# Altium PCB ADCS.PcbDoc (part 1 of 2)
Units mm, origin at the board's own origin, x right, y up, seen from the top; angles counter-clockwise.
Board outline 80 x 80 mm, 2 copper layers (Top Layer, Bottom Layer); 100 components, 89 nets, 454 pads, 285 vias.
Unrouted connection lines stored in the file: 6.
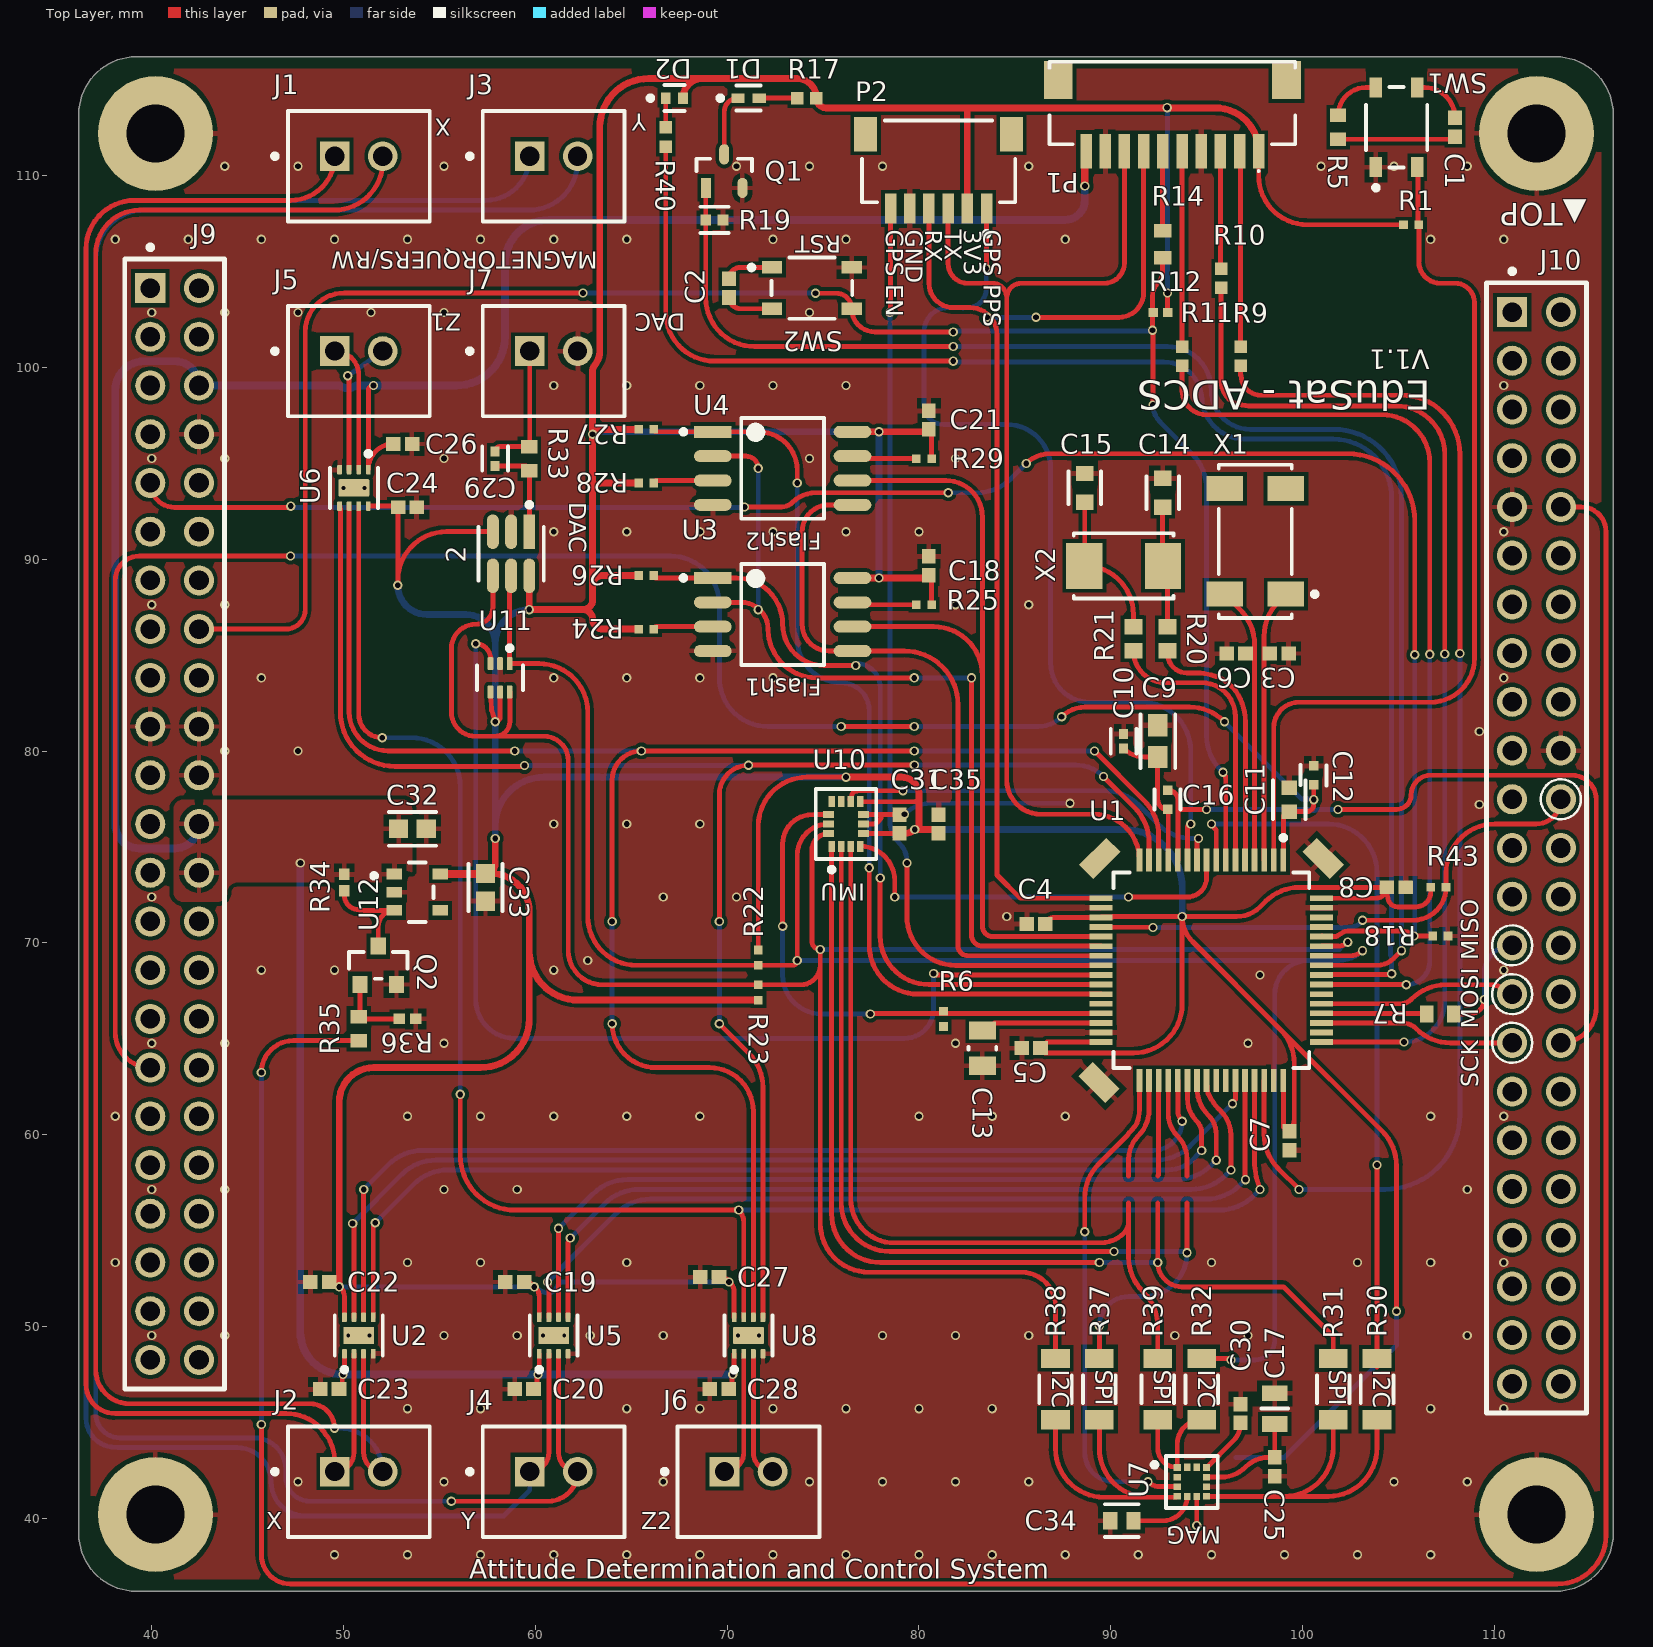
[diagram p0: Top Layer view]
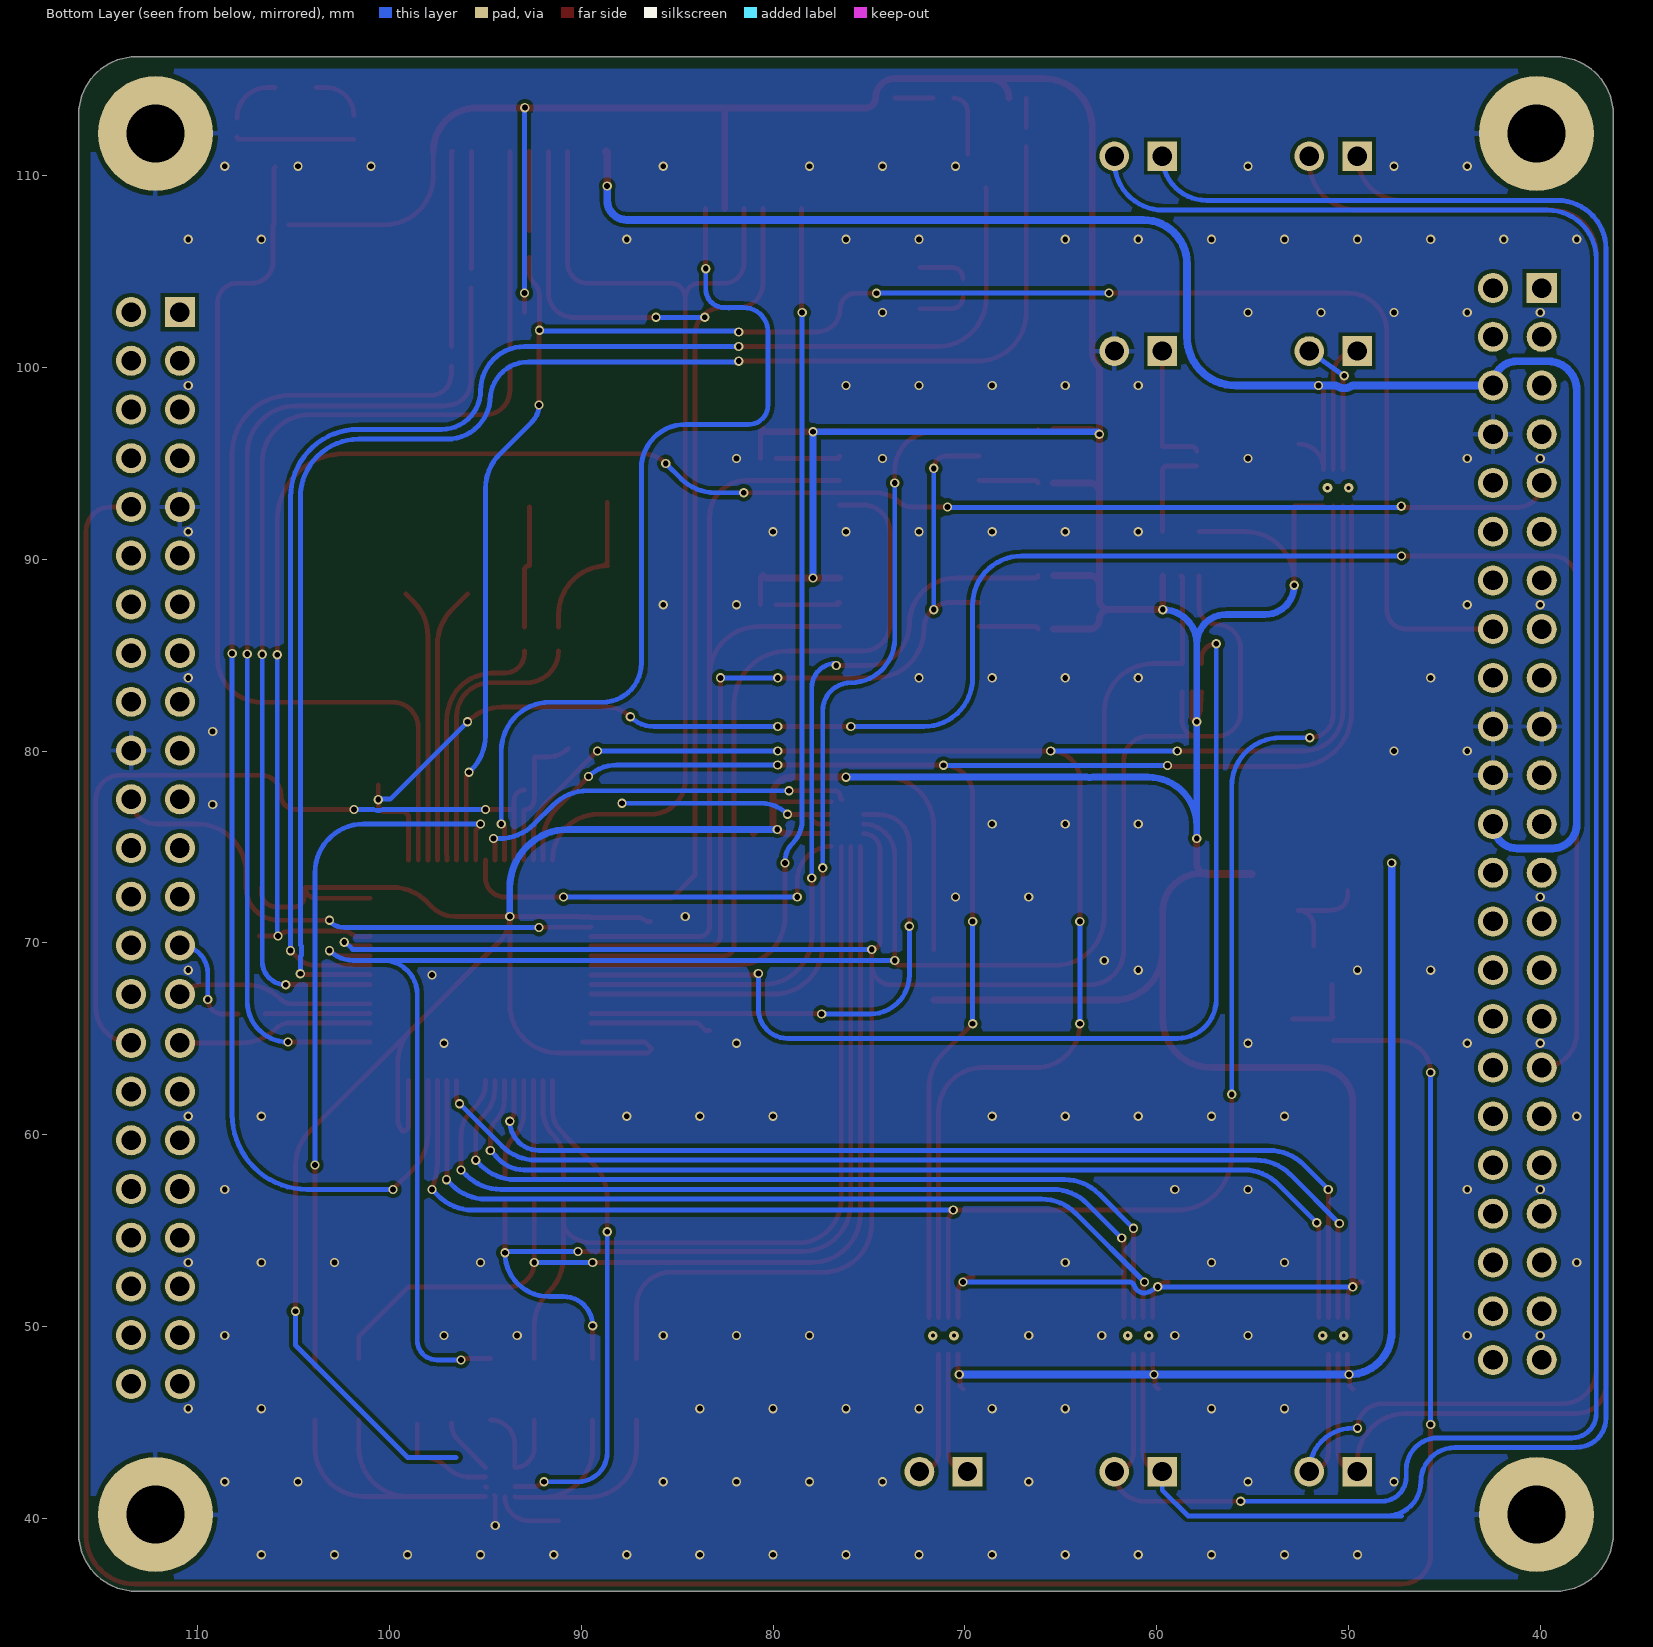
[diagram p1: Bottom Layer view, seen from below]
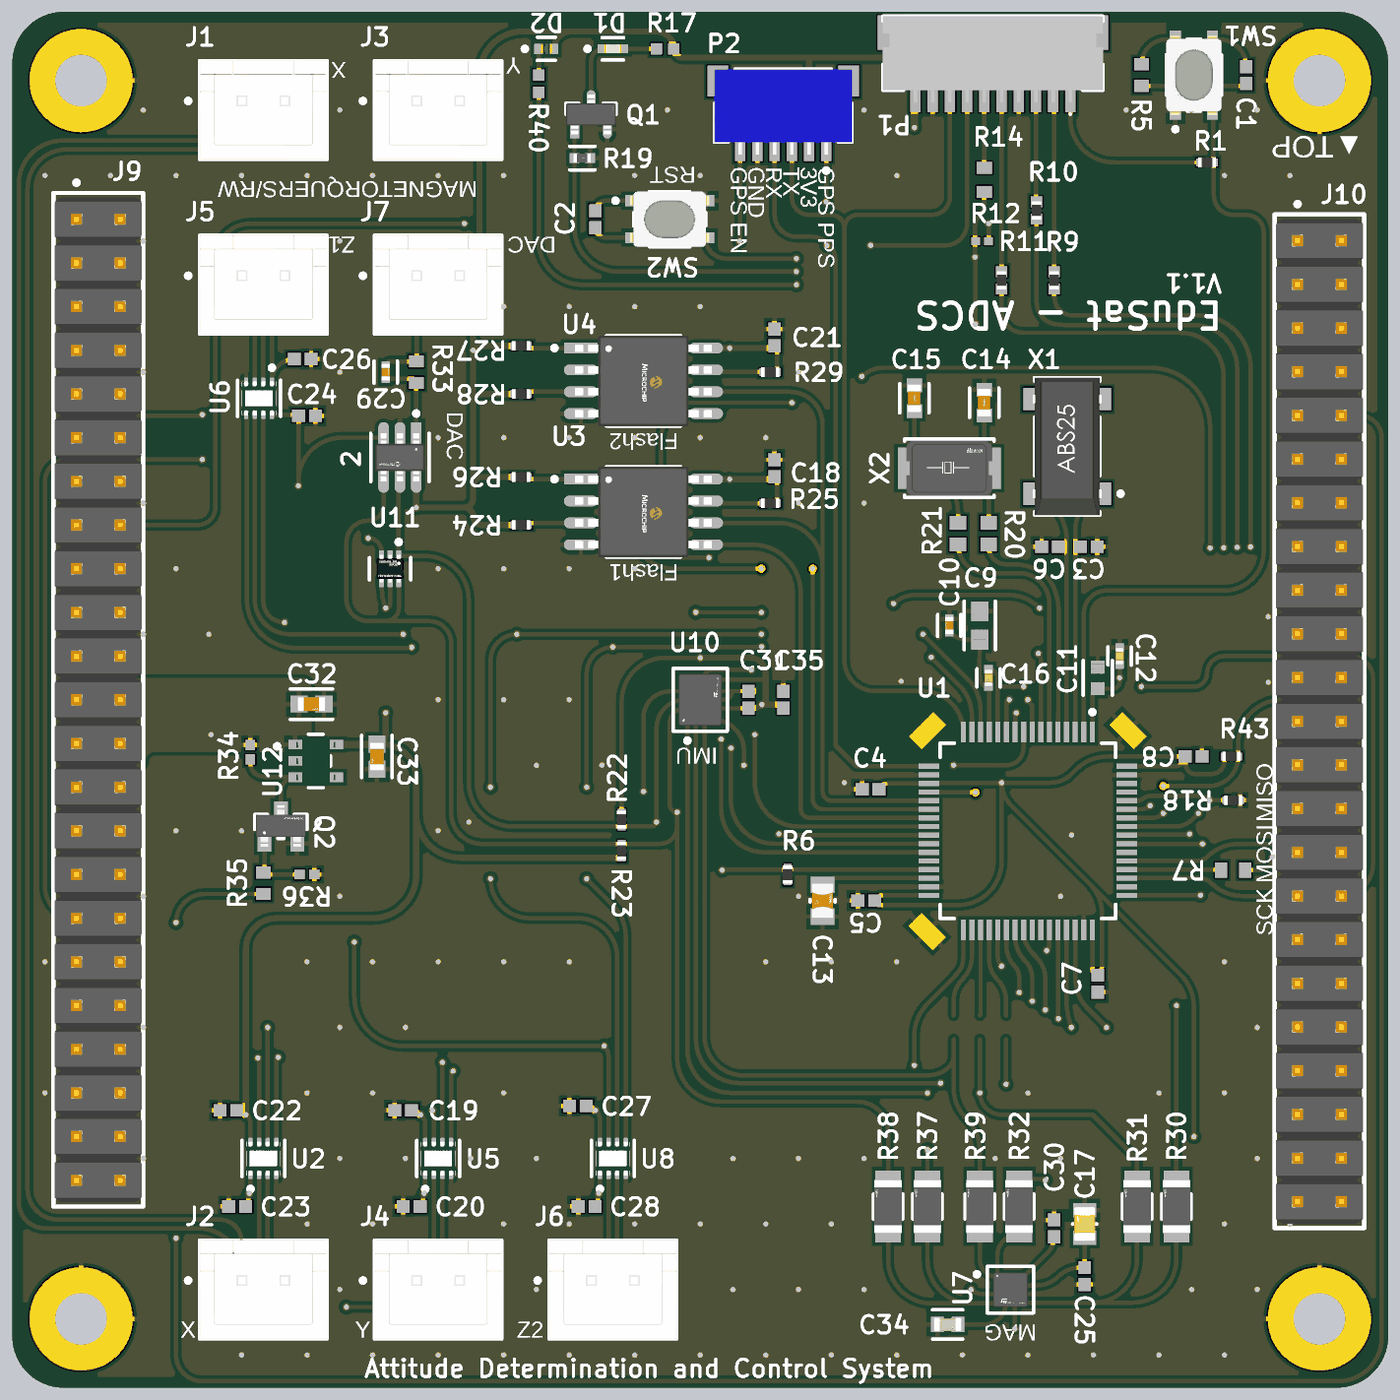
[diagram p3: 3D render of the assembled board from above, using the file's embedded part models]

## Layer stack, top to bottom
Top Solder: solder mask 0.0102, Solder Resist, Dk 3.5
Top Layer: signal copper 0.0356
Dielectric 1: dielectric 0.32, FR-4, Dk 4.8
Bottom Layer: signal copper 0.0356
Bottom Solder: solder mask 0.0102, Solder Resist, Dk 3.5

## Board outline
36.2,39.2 36.2,113.2 cw(c39.2,113.2) 39.2,116.2 113.2,116.2 cw(c113.2,113.2) 116.2,113.2 116.2,39.2 cw(c113.2,39.2) 113.2,36.2 39.2,36.2 cw(c39.2,39.2)

## Design rules (kind name [scope] priority, off if disabled: settings)
Clearance [All] p1: gap=0.203 ignorepadtopadclearanceinfootprint=TRUE except(0.152: Arc-SMDPad Track-SMDPad SMDPad-SMDPad)
HoleSize [All] p1: absolutevalues=TRUE maxlimit=7.62 minlimit=0.025 maxpercent=80.000 minpercent=20.000
MinimumSolderMaskSliver [All] p1: minsoldermaskwidth=0
PlaneClearance [All] p1: clearance=0.254
PlaneConnect [All] p1: pad.planeconnectstyle=Relief pad.reliefexpansion=0.508 pad.reliefentries=4 pad.reliefconductorwidth=0.254 pad.reliefairgap=0.254 via.planeconnectstyle=Direct via.reliefexpansion=0.508 via.reliefentries=4 via.reliefconductorwidth=0.254 via.reliefairgap=0.254
PolygonConnect [All] p1: thpad.connectstyle=Relief thpad.reliefconductorwidth=0.254 thpad.reliefentries=4 thpad.polygonreliefangle="90 Angle" thpad.airgapwidth=0.254 smdpad.connectstyle=Relief smdpad.reliefconductorwidth=0.254 smdpad.reliefentries=4 smdpad.polygonreliefangle="90 Angle" smdpad.airgapwidth=0.254 via.connectstyle=Direct via.reliefconductorwidth=0.254 via.reliefentries=4 via.polygonreliefangle="90 Angle" via.airgapwidth=0.254
RoutingVias [All] p1: holewidth=0.305 width=0.483 viastyle="Through Hole" minholewidth=0.305 minwidth=0.483 maxholewidth=2.54 maxwidth=7.62
SilkToSilkClearance [All] p1: silktosilkclearance=0
SilkToSolderMaskClearance [IsPad] p1: minsilkscreentomaskgap=0.127 clearancetoexposedcopper=TRUE
SolderMaskExpansion [All] p1: expansion=0.102 istentingtop=FALSE
SupplyNets "Schematic Supply Nets_5" [InNet('GND')] p1: voltage=0.000
SupplyNets "Schematic Supply Nets_4" [InNet('AVDD')] p2: voltage=0.000
SupplyNets "Schematic Supply Nets_3" [InNet('+5')] p3: voltage=0.000
SupplyNets "Schematic Supply Nets_2" [InNet('VBAT')] p4: voltage=0.000
SupplyNets "Schematic Supply Nets_1" [InNet('AGND')] p5: voltage=0.000
SupplyNets "Schematic Supply Nets" [InNet('VDD')] p6: voltage=0.000
Width [All] p1: maxlimit=0.406 minlimit=0.254 preferedwidth=0.254
24 further rules are at their usual default settings.

## Classes and differential pairs
component class AOCS_MCU_446: C1 C2 C3 C4 C5 C6 C7 C8 C9 C10 C11 C12 C13 C14 C15 C16 D1 D2 P1 P2 Q1 R1 R5 R7 R9 R10 R11 R12 R14 R17 R18 R19 R20 R21 R40 SW1 SW2 U1 X1 X2
component class ADCS_Connectors: C32 C33 J9 J10 Q2 R34 R35 R36 R43 U12
component class AOCS_Add-on: 2 C17 C18 C19 C20 C21 C22 C23 C24 C25 C26 C27 C28 C29 C30 C31 C34 C35 J1 J2 J3 J4 J5 J6 J7 R6 R22 R23 R24 R25 R26 R27 R28 R29 R30 R31 R32 R33 R37 R38 R39 U2 U3 U4 U5 U6 U7 U8 U10 U11

## Components (designator, comment, footprint, x,y, rotation, side; value= is the part's Value field where it differs from the comment)
2 "MCP4725A0T-E/CH" FP-C04-028-CHY-IPC_A 58.74,90.29 r270 top locked (schematic designator U9)
C1 "100nF" CAPC1050X55X23ML05T13 107.95,112.522 r270 top locked
C2 "100nF" CAPC1050X55X23ML05T13 70.104,104.14 r270 top locked
C3 "6pF" CAPC1005X55X25ML05T10 98.788,85.09 r0 top locked
C4 "100 nF" CAPC1050X55X23ML05T13 86.106,70.993 r0 top
C5 "100 nF" CAPC1050X55X23ML05T13 85.852,64.516 r0 top locked
C6 "6pF" CAPC1005X55X25ML05T10 96.538,85.09 r180 top locked
C7 "100 nF" CAPC1050X55X23ML05T13 99.314,59.69 r90 top locked
C8 "100 nF" CAPC1050X55X23ML05T13 104.884,72.898 r180 top locked
C9 "1uF" FP-CL10-IPC_A 92.456,80.518 r270 top locked
C10 "10nF" FP-CL165-IPC_C 90.678,80.518 r270 top locked
C11 "1uF" FP-CL10-IPC_C 99.314,77.47 r90 top locked
C12 "100nF" FP-CC0402-MFG 100.584,78.74 r270 top locked value="100 nF"
C13 "4.7uF" FP-CC0805-0_85-MFG 83.312,64.516 r90 top locked value="4.7 uF"
C14 "20pF" FP-CC0603-0_9-MFG 92.71,93.472 r90 top locked
C15 "20pF" FP-CC0603-0_9-MFG 88.646,93.726 r90 top locked
C16 "100nF" FP-CC0402-MFG 92.964,77.47 r270 top locked value="100 nF"
C17 "10uF" FP-CL21B106KOQNNNG-MFG 98.552,45.72 r90 top
C18 "100 nF" CAPC1050X55X23ML05T13 80.518,89.662 r270 top locked
C19 "100 nF" CAPC1050X55X23ML05T13 58.928,52.324 r180 top locked
C20 "100 nF" CAPC1050X55X23ML05T13 59.418,46.736 r180 top locked
C21 "100 nF" CAPC1050X55X23ML05T13 80.518,97.264 r270 top locked
C22 "100 nF" CAPC1050X55X23ML05T13 48.768,52.324 r180 top locked
C23 "100 nF" CAPC1050X55X23ML05T13 49.276,46.736 r180 top locked
C24 "100 nF" CAPC1050X55X23ML05T13 53.34,92.71 r0 top locked
C25 "100 nF" CAPC1050X55X23ML05T13 98.552,42.69 r90 top
C26 "100 nF" CAPC1050X55X23ML05T13 53.086,96.012 r0 top locked
C27 "100 nF" CAPC1050X55X23ML05T13 69.088,52.578 r180 top locked
C28 "100 nF" CAPC1050X55X23ML05T13 69.596,46.736 r180 top locked
C29 "10nF" FP-CL165-IPC_C 57.912,95.25 r90 top locked
C30 "100 nF" CAPC1050X55X23ML05T13 96.774,45.466 r270 top
C31 "100 nF" CAPC1050X55X23ML05T13 78.994,76.2 r90 top locked
C32 "1uF" FP-0603-L_1_6_0_15-W_0_81-IPC_B 53.594,75.946 r0 top locked
C33 "1uF" FP-0603-L_1_6_0_15-W_0_81-IPC_B 57.404,72.898 r270 top locked
C34 "220 uF" FP-C0603C-CF-MFG 90.586,39.878 r180 top value="0.22 μF"
C35 "100 nF" CAPC1050X55X23ML05T13 81.026,76.2 r90 top
D1 "SML-LX0402SUGC-TR" FP-SML-LX0402SUGC-TR-MFG 71.12,114.046 r0 top locked
D2 "SMLP12BC7TT86" FP-SML-P12-MFG 67.252,114.046 r0 top locked
J1 "B2B-XH-A(LF)(SN)" FP-B2B-XH-A_LF_SN-MFG 50.8,110.49 r0 top locked
J2 "B2B-XH-A(LF)(SN)" FP-B2B-XH-A_LF_SN-MFG 50.8,41.91 r0 top locked
J3 "B2B-XH-A(LF)(SN)" FP-B2B-XH-A_LF_SN-MFG 60.96,110.49 r0 top locked
J4 "B2B-XH-A(LF)(SN)" FP-B2B-XH-A_LF_SN-MFG 60.96,41.91 r0 top locked
J5 "B2B-XH-A(LF)(SN)" FP-B2B-XH-A_LF_SN-MFG 50.8,100.33 r0 top locked
J6 "B2B-XH-A(LF)(SN)" FP-B2B-XH-A_LF_SN-MFG 71.12,41.91 r0 top locked
J7 "B2B-XH-A(LF)(SN)" FP-B2B-XH-A_LF_SN-MFG 60.96,100.33 r0 top locked
J9 "PBC23DAFN" FP-PBC23DAFN-MFG 41.2,76.2 r270 top
J10 "PBC23DAFN" FP-PBC23DAFN-MFG 112.2,74.95 r270 top
P1 "SM10B-SHLS-TF(LF)(SN)" JST-SM10B-SHLS-TF_V 93.218,113.792 r180 top locked
P2 "SM06B-SRSS-TB(LF)(SN)" JST-SM06B-SRSS-TB_V 81.026,110.744 r180 top locked
Q1 "BSN20BKR" FP-SOT23-IPC_C 69.85,110.236 r90 top locked
Q2 "2N7002K" FP-318-08-MFG 51.816,68.834 r90 top locked
R1 "4.7k" RESC1005X40X25LL05T05 105.664,107.442 r180 top locked
R5 "100" RESC1608X55X30LL15T15 101.854,112.522 r270 top locked
R6 "10k" RESC1005X40X25LL05T05 81.28,66.04 r270 top
R7 "22" RESC1608X55X25NL10T15 107.188,66.294 r180 top locked
R9 "22" RESC1005X40X25ML05T05 96.774,100.584 r270 top locked
R10 "22" RESC1005X40X25ML05T05 95.758,104.648 r270 top locked
R11 "22" RESC1005X40X25ML05T05 93.726,100.584 r270 top locked
R12 "10k" RESC1005X40X25LL05T10 92.589,102.87 r180 top locked
R14 "22" RESC1608X55X25NL10T15 92.71,106.426 r270 top locked
R17 "680R" RESC1005X40X25ML05T05 74.16,114.046 r180 top locked
R18 "10k" RESC1005X40X25LL05T05 107.188,70.358 r180 top locked
R19 "1M" FP-MCR01-IPC_B 69.342,107.696 r180 top locked
R20 "30" RESC1609X50X30NL10T20 92.964,85.852 r90 top locked
R21 "30" RESC1609X50X30NL10T20 91.186,85.852 r90 top locked
R22 "4.7k" RESC1005X40X25LL05T05 71.628,69.234 r90 top locked
R23 "4.7k" RESC1005X40X25LL05T05 71.628,67.418 r270 top locked
R24 "10k" RESC1005X40X25LL05T05 65.786,86.36 r0 top locked
R25 "10k" RESC1005X40X25LL05T05 80.264,87.63 r180 top locked
R26 "10k" RESC1005X40X25LL05T05 65.786,89.154 r0 top locked
R27 "10k" RESC1005X40X25LL05T05 65.786,96.774 r0 top locked
R28 "10k" RESC1005X40X25LL05T05 65.786,93.98 r0 top locked
R29 "10k" RESC1005X40X25LL05T05 80.264,95.25 r180 top locked
R30 "Jumper 0ohm" FP-RC1206-MFG 103.886,46.736 r90 top value=0Ω
R31 "Jumper 0ohm" FP-RC1206-MFG 101.6,46.736 r90 top value=0Ω
R32 "Jumper 0ohm" FP-RC1206-MFG 94.742,46.736 r90 top locked value=0Ω
R33 "100" RESC1608X55X30LL15T15 59.69,95.25 r90 top locked
R34 "100k" RESC1005X40X25NL05T10 50.038,73.152 r90 top locked
R35 "100" RESC1608X55X30LL15T15 50.8,65.532 r270 top locked
R36 "100k" RESC1005X40X25NL05T10 53.34,66.04 r180 top locked
R37 "Jumper 0ohm" FP-RC1206-MFG 89.408,46.736 r90 top locked value=0Ω
R38 "Jumper 0ohm" FP-RC1206-MFG 87.122,46.736 r90 top locked value=0Ω
R39 "Jumper 0ohm" FP-RC1206-MFG 92.456,46.736 r90 top locked value=0Ω
R40 "680R" RESC1005X40X25ML05T05 66.802,112.014 r270 top locked
R43 "10k" RESC1005X40X25LL05T05 107.083,72.898 r180 top
SW1 "PTS810SJM250SMTRLFS" FP-PTS810SJM250SMTRLFS-MFG 104.902,112.522 r90 top locked
SW2 "PTS810SJM250SMTRLFS" FP-PTS810SJM250SMTRLFS-MFG 74.422,104.14 r0 top locked
U1 "STM32F446RET6" FP-LQFP64-5W-MFG 95.25,68.58 r270 top locked
U2 "DRV8837DSGR" FP-DSG0008A-MFG 50.8,49.53 r90 top locked
U3 "SST26VF064BT-104I/SM" FP-C04-056-IPC_A 72.898,87.122 r0 top locked
U4 "SST26VF064BT-104I/SM" FP-C04-056-IPC_A 72.898,94.742 r0 top locked
U5 "DRV8837DSGR" FP-DSG0008A-MFG 60.96,49.53 r90 top locked
U6 "DRV8837DSGR" FP-DSG0008A-MFG 50.546,93.726 r270 top locked
U7 "LIS2MDLTR" FP-LGA-12-DM00170568-MFG 94.235,41.898 r0 top locked
U8 "DRV8837DSGR" FP-DSG0008A-MFG 71.12,49.53 r90 top locked
U10 "LSM6DSLTR" FP-LGA-14L-DM00249496-MFG 76.2,76.2 r90 top locked
U11 "TMP112" FP-DRL0006A-MFG 58.166,83.82 r270 top locked
U12 "AP2127K-3.3TRG1" FP-SOT25-MFG 53.848,72.644 r0 top locked
X1 "ABS25-32.768KHZ-6-T" ABRA-ABS25-4_V 97.536,90.932 r90 top locked
X2 "ABM3-8.000MHZ-D2Y-T" FP-ABM3-MFG 90.678,89.662 r0 top locked
